# Allegro board STANDARD.brd (continued)
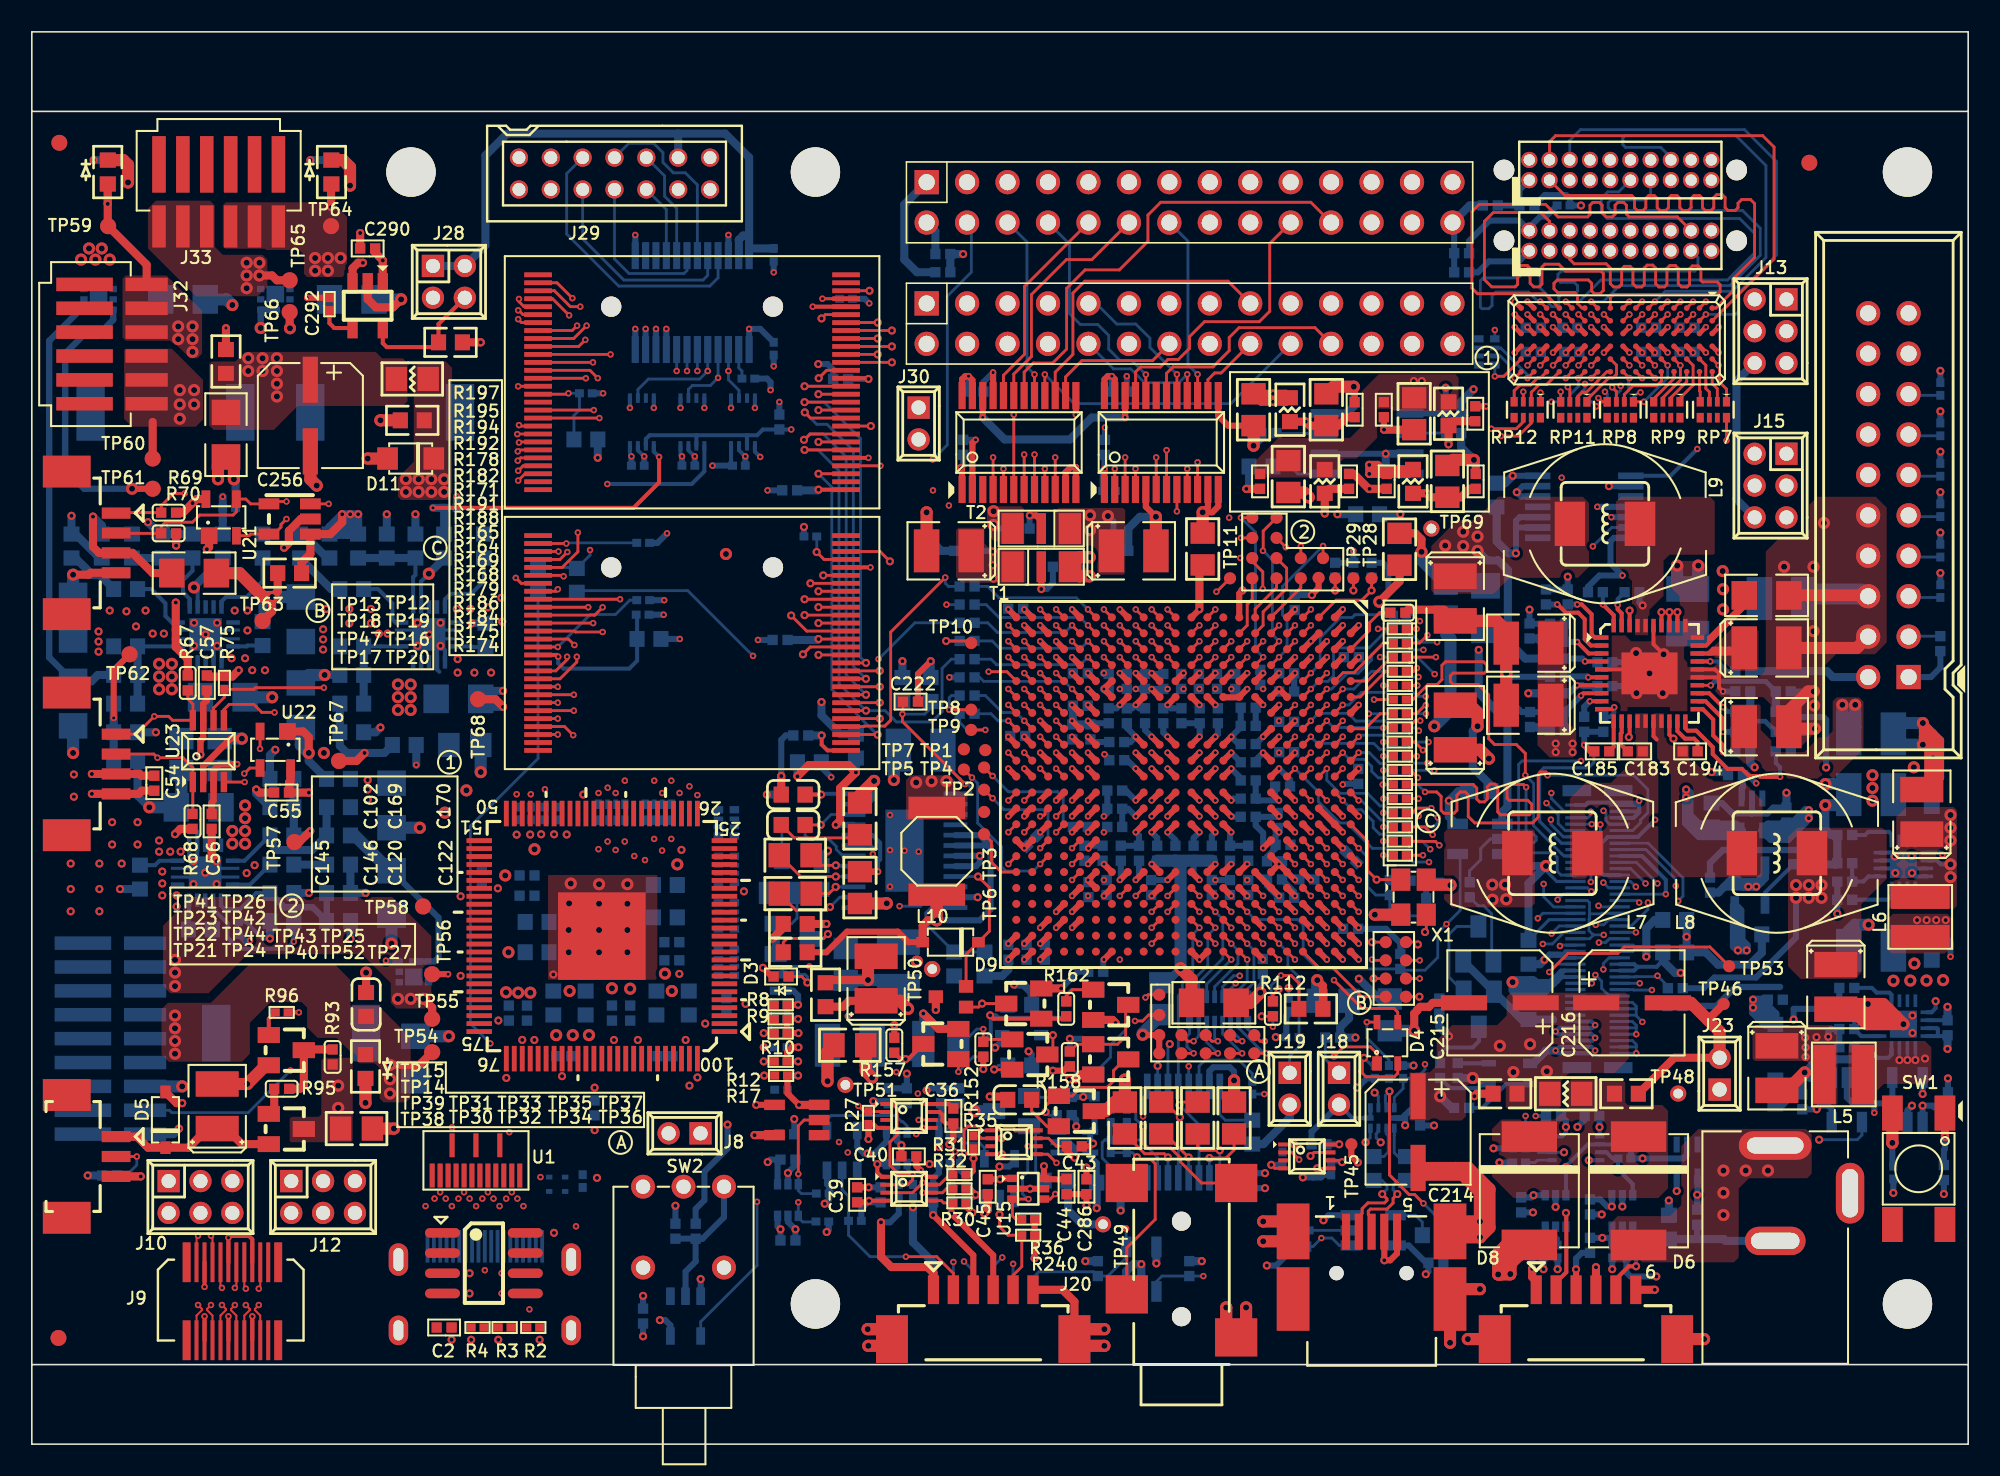
[diagram p0: board, top side]
## Routing (per net, layer and track width the routed paths; a pad name or vN(x,y) marks a point on that pad's centre or on a via; arc(x,y) is an arc through that point) (continued)
  BOTTOM w0.178: U38.9 v1(59.42,35.67)
VRST: length 71.8
  TOP w0.508: C230.2 47.19,32.44 v1(46.52,31.77)
  TOP w0.762: C232.1 49.97,24.67 v2(49.97,22.81)
  4--SIG w0.508: TP49.1 68.69,12.39 74.97,12.39 75.37,11.99 84.21,11.99 85.94,13.71 88.38,13.71 91.04,16.38 97.37,16.38 100.06,19.07 100.06,29.3 v1(101.39,30.63)
  BOTTOM w0.178: J27.M17 100.55,30.96 100.76,31.16 100.56,31.36 J27.M18
  BOTTOM w0.38: 101.39,31.18 101.37,31.16 100.76,31.16 ; R160.2 v1(65.19,25.47) 65.95,25.47 66.29,25.13 Q12.1
  BOTTOM w0.508: DN2.1 46.71,31.58 v1(46.52,31.77) ; v1(49.59,46.63) 49.59,45.79 50.77,44.61 R147.2 ; v1(101.39,30.63) 101.39,32.41 101.92,32.94 C244.2 ; R161.2 65.07,14.7 65.96,13.81 TP49.1
  BOTTOM w0.762: 49.97,25.07 v2(49.97,22.81)
WPZ: length 5.7
  TOP w0.178: v3(33.7,66.03) 33.64,65.97 U19.16
  BOTTOM w0.178: R56.1 34.04,64.63 34.39,64.98 R48.2 v3(33.7,66.03)
WPZ_2: length 9.9
  TOP w0.254: U20.16 32.95,49.59 v3(33.06,49.48)
  BOTTOM w0.254: v3(33.06,49.48) 33.06,49.06 33.39,48.73 37.52,48.73 38.01,49.22 R57.1 38.01,52.06 R51.2
XTAL_IN: length 7.8
  TOP w0.178: X1.1 v1(84.45,35.47) 83.89,36.03 83.89,37.88 U7.A14
  BOTTOM w0.178: C217.1 85.32,35.4 R137.1 85.25,35.47 v1(84.45,35.47)
XTAL_OUT: length 6.3
  TOP w0.178: U7.A15 v3(83.32,37.45)
  BOTTOM w0.178: v3(83.32,37.45) 83.9,36.88 83.9,35.01 84.4,34.5 R137.2 85.28,33.23 R138.2
N17804736: length 4
  BOTTOM w0.178: R76.1 74.95,20.36 74.6,20.71 U24.16
N17814447: length 4
  TOP w0.178: v1(73.95,17.98) 74.99,17.98 75.5,18.49 C59.1
  BOTTOM w0.178: U24.2 v1(73.95,17.98)
N17816824: length 4.6
  TOP w0.178: C61.1 69.89,18.25 70.22,18.25 71.11,18.25 v1(71.35,18.01)
  BOTTOM w0.178: U24.6 v1(71.35,18.01)
N17818051: length 4
  TOP w0.178: v1(74.6,18.46) 73.41,18.46 73.21,18.66 C60.2
  BOTTOM w0.178: U24.1 v1(74.6,18.46)
N17818648: length 6.3
  TOP w0.178: C60.1 72.27,21.49 v1(72.07,21.3)
  BOTTOM w0.178: v1(72.07,21.3) 73.3,20.07 U24.3
N17820554: length 3.6
  TOP w0.178: v1(72.65,18.01) 71.17,19.49 C62.2
  BOTTOM w0.178: U24.4 v1(72.65,18.01)
N17821152: length 5.4
  TOP w0.178: C62.1 71.15,21.49 v1(72.1,20.54)
  BOTTOM w0.178: v1(72.1,20.54) 72.1,19.14 72,19.04 U24.5
N19812982: length 2
  BOTTOM w0.254: R133.2 89.56,23.93 D7.2
N19813769: length 4.5
  BOTTOM w0.254: R132.2 91.09,21.13 92.59,22.63 D7.3
N19817079: length 3.4
  BOTTOM w0.254: R135.1 89.08,22.37 90.83,22.37 91.09,22.63 D7.4
N19817873: length 4.3
  BOTTOM w0.254: Q3.3 90.87,25.31 90.49,24.93 88.79,24.93 88.44,24.58 R135.2
N19818669: length 7.7
  BOTTOM w0.178: Q4.3 89.49,32.53 88.99,32.03 88.99,29.36 Q3.2 89.48,28 R134.2
N19848267: length 3.7
  TOP w0.178: v1(87.49,32.18) 87.57,32.26 X1.3
  BOTTOM w0.178: v1(87.49,32.18) 87.57,32.26 87.57,33.35 C218.1 87.4,33.19 R138.1
N23600777: length 3.3
  TOP w0.508: SW1.1 v1(120.14,19.32)
  BOTTOM w0.381: R111.2 120.08,18.48 120.14,18.55 v1(120.14,19.32)
N23850765: length 8
  TOP w0.178: v3(78.45,29.45) 79.09,29.45 79.57,28.97 C219.2 ; U7.G21 v3(77.32,31.45)
  3-SIG w0.122: v3(77.32,31.45) 77.81,30.96 77.81,30.08 v3(78.45,29.45)
  BOTTOM w0.178: v3(78.45,29.45) 77.83,28.83 77.83,27.93 R140.2
N34607791: length 3.8
  TOP w0.254: U33.7 v3(97.04,47.68)
  BOTTOM w0.381: R119.2 97.98,47.63 97.97,47.62 97.44,47.62 97.38,47.68 v3(97.04,47.68) 96.54,47.18 R115.1
N34618419: length 2.1
  TOP w0.254: C183.1 99.78,43.97 99.78,44.64 99.84,44.7 U33.12
N34623631: length 4
  TOP w0.254: U33.8 97.44,47.18 v3(97.29,47.03)
  BOTTOM w0.381: R118.1 96.28,44.85 C190.2 96.29,46.03 v3(97.29,47.03)
N34624445: length 1.3
  BOTTOM w0.508: R118.2 94.79,44.83 94.56,45.06 C188.2
N34740015: length 2
  TOP w0.254: C185.1 99.34,43.81 U33.11
N34740957: length 1.9
  TOP w0.254: U33.9 v3(97.84,46.68)
  BOTTOM w0.381: v3(97.84,46.68) 97.49,46.33 C186.1
N34741901: length 2
  TOP w0.254: v3(99.38,46.3) 99.25,46.18 U33.10
  BOTTOM w0.254: v3(99.38,46.3) 99.38,45.97 99.1,45.7 R116.2
N34745703: length 4.3
  TOP w0.254: v3(106.21,43.49) 106.21,43.91 105.59,44.53 105.59,45.53 104.94,46.18 U33.21
  BOTTOM w0.381: R122.2 v3(106.21,43.49)
N34745748: length 9.6
  TOP w0.254: v3(109.79,41.93) 108.53,41.93 108.48,41.98 107.84,41.98 107.39,42.43 106.49,42.43 105.56,43.36 105.56,43.8 104.53,44.83 103.98,44.83 103.84,44.97 U33.20
  BOTTOM w0.254: v3(109.79,41.93) 109.79,42.53 109.52,42.8 C195.1
N34745750: length 3.7
  TOP w0.254: v3(106.21,44.76) 106.19,44.78 106.19,45.6 105.11,46.68 U33.22
  BOTTOM w0.381: C196.1 v3(106.21,44.76)
N34746861: length 3.7
  TOP w0.254: U33.1 98.15,50.68 97.95,50.87 97.95,52.14 97.33,52.76 v3(97.05,52.76)
  BOTTOM w0.381: v3(97.05,52.76) 97.05,52.76 R127.2
N34746906: length 2.4
  TOP w0.254: v3(98.66,52.77) 99.34,52.09 U33.40
  BOTTOM w0.254: C203.1 v3(98.66,52.77)
N34746908: length 5.3
  TOP w0.254: U33.2 97.91,50.18 97.52,50.57 97.52,51.84 97.11,52.24 96.34,52.24 95.82,52.76 v3(95.8,52.76)
  BOTTOM w0.381: C205.1 v3(95.8,52.76)
N34750000: length 2.3
  TOP w0.254: U33.6 v3(97.74,48.18)
  BOTTOM w0.381: R130.2 96.3,48.24 97.68,48.24 v3(97.74,48.18)
N34754583: length 11.2
  TOP w0.254: 105.34,50.48 105.34,50.68 107.54,52.88 ; 105.34,50.48 105.34,50.38 ; 105.34,50.48 107.54,52.68 ; 105.34,50.38 105.14,50.18 U33.29 ; 105.34,50.38 107.54,52.58 107.54,52.68 ; 107.54,52.88 107.54,52.68 ; 107.54,52.88 C209.2
N34755569: length 9
  TOP w0.254: 106.29,49.68 107.44,49.68 107.54,49.78 ; 106.29,49.68 106.03,49.68 ; 106.29,49.68 106.59,49.98 ; 105.44,49.68 105.69,49.93 ; 105.44,49.68 105.94,49.68 ; 105.44,49.68 105.29,49.68 ; 105.69,49.93 105.87,49.76 ; 105.69,49.93 106.09,49.93 106.14,49.98 ; 105.69,49.93 105.74,49.98 ; 105.74,49.98 105.59,49.98 105.29,49.68 ; 105.74,49.98 106.09,49.98 ; 105.87,49.76 106.09,49.98 ; 105.87,49.76 105.94,49.68 ; 106.09,49.98 106.14,49.98 ; 105.94,49.68 106.03,49.68 ; 106.59,49.98 107.34,49.98 107.54,49.78 ; 106.59,49.98 106.14,49.98 ; 106.03,49.68 106.13,49.78 107.54,49.78 ; 105.29,49.68 U33.28
N35882942: length 3.7
  TOP w0.178: U7.A3 84.01,51.13 84.01,51.61 84.64,52.24 R197.2
N37295707: length 3.3
  BOTTOM w0.254: C236.2 108.84,34.65 U39.4
N38089677: length 1.2
  TOP w0.254: U33.16 101.84,44.48 102.04,44.28
N38089692: length 2.8
  TOP w0.254: U33.19 103.34,44.8 103.81,44.33 104.39,44.33 104.61,44.11 C194.1
N38089700: length 6.6
  TOP w0.178: U33.24 v3(105.44,47.68)
  BOTTOM w0.3: R124.2 108.88,47.93 105.69,47.93 v3(105.44,47.68)
  BOTTOM w0.508: R121.1 R124.2
N38089740: length 6.2
  TOP w0.254: v3(106.21,46.31) 105.34,47.18 U33.23
  BOTTOM w0.3: v3(106.21,46.31) 106.5,46.03 R123.1 106.98,45.54 107.1,45.42 108.85,45.42 C198.2
N38089774: length 1.3
  BOTTOM w0.508: C197.2 R123.2
N38091881: length 0.9
  BOTTOM w0.381: C202.2 100.96,52.89 v1(101.15,52.7)
N38091891: length 2.4
  TOP w0.254: U33.39 99.84,52.21 99.59,52.46 v3(99.59,52.73)
  BOTTOM w0.254: C202.1 99.59,53.1 v3(99.59,52.73)
N38091910: length 3.2
  TOP w0.254: U33.4 v3(97.54,49.18)
  BOTTOM w0.254: v3(97.54,49.18) 98.27,49.18 R129.2
  BOTTOM w0.381: R126.1 97.36,49.36 v3(97.54,49.18)
N38091944: length 3.8
  TOP w0.254: v3(97.05,50.41) 97.77,49.68 U33.3
  BOTTOM w0.381: C207.2 R128.1 v3(97.05,50.41)
N38091976: length 1.4
  BOTTOM w0.508: C206.2 94.57,50.62 94.79,50.41 R128.2
N38254379: length 11.7
  TOP w0.178: C222.2 54.71,45.91 v3(54.67,45.87) 54.67,45.41 58.28,41.79 58.29,41.79 v3(58.61,41.47)
  BOTTOM w0.178: v3(58.61,41.47) 58.76,41.47 58.96,41.27 58.96,41.12 58.96,40.99 58.84,40.87 U38.1 ; R143.2 56.45,46.25 56.07,45.87 v3(54.67,45.87) R145.2
N38254405: length 4.7
  BOTTOM w0.178: DN2.2 47.71,32.7 48.05,33.04 48.05,34.63 49.37,34.63 C228.2
N38254420: length 7.1
  BOTTOM w0.178: R149.2 R148.2 56.14,32.7 56.14,33.38 56.48,33.72 U38.12
N38254445: length 2.1
  BOTTOM w0.178: DN1.3 47.1,38.87 C227.2
N38254459: length 13.2
  TOP w0.4: C235.1 v3(53.14,35.97)
  6-SIG w0.4: v3(50.2,41.91) 52.26,39.85 52.26,36.85 v3(53.14,35.97)
  BOTTOM w0.254: v3(53.14,35.97) 53.14,36.6 53.27,36.73 53.27,37.78 52.79,38.27 U38.20
  BOTTOM w0.381: R146.1 49.58,42.53 v3(50.2,41.91)
N38254553: length 10.9
  TOP w0.508: v1(50.49,38.92) 50.76,39.18 50.76,41.22 v1(51.75,42.21) 51.29,42.67 48.78,42.67 v1(48.08,41.97)
  BOTTOM w0.38: U38.21 v1(50.49,38.92)
  BOTTOM w0.508: R147.1 v1(51.75,42.21) ; R146.2 v1(48.08,41.97)
N38254683: length 3.3
  TOP w0.178: R144.2 v1(49.54,38.91)
  BOTTOM w0.178: U38.22 50.2,39.57 v1(49.54,38.91)
N38254697: length 2.9
  TOP w0.178: v1(50.49,36.37) 49.58,36.37 C226.2
  BOTTOM w0.178: v1(50.49,36.37) 50.76,36.37 50.81,36.32 U38.17
N38254720: length 5.2
  TOP w0.178: v1(50.49,35.67) 48.28,35.67 C226.1
  BOTTOM w0.178: U38.16 v1(50.49,35.67)
N38254804: length 5.4
  TOP w0.178: C225.2 51.81,38.1 47.88,38.1 R144.1
N38254878: length 4.3
  BOTTOM w0.178: C227.1 48.56,38.26 48.84,37.98 50.09,37.98 50.52,37.55 50.52,37.37 50.93,36.97 U38.18
N38254887: length 2.8
  TOP w0.178: C229.2 50.06,34.59 v1(50.48,35.02)
  BOTTOM w0.178: U38.15 v1(50.48,35.02)
N38254889: length 5.4
  TOP w0.178: C229.1 48,33.53 49.9,33.53 v1(50.12,33.75)
  BOTTOM w0.178: v1(50.12,33.75) 50.74,34.37 U38.14
N38254900: length 24
  TOP w0.38: D9.1 55.05,31.54 54.39,32.2 51.19,32.2 49.9,30.91 C220.2
  TOP w0.508: v2(56.83,32.91) 56.27,32.91 55.94,32.58 D9.1
  TOP w0.76: L10.2 v2(56.83,32.91)
  BOTTOM w0.38: U38.6 60.01,37.62 60.09,37.7 ; U38.5 59.52,38.27 60.09,37.7 ; 60.09,37.7 60.21,37.57 60.21,33.6 59.52,32.91 v2(56.83,32.91)
N38255033: length 4.6
  TOP w0.178: v3(59.75,26.08) R152.2 59.9,25.43 61.57,25.43
  BOTTOM w0.178: v3(59.75,26.08) 59.34,26.08 58.4,25.14 Q11.3
N38255053: length 2.1
  TOP w0.178: v1(64.12,25.7) 64.12,24.83 Q8.3
  BOTTOM w0.178: D10.1 v1(64.12,25.7)
N38255105: length 3.5
  TOP w0.254: Q14.3 55.03,24.19 v1(54.87,24.19) 54.57,24.19 R157.2
  BOTTOM w0.254: Q11.2 v1(54.87,24.19)
N38255154: length 2.2
  BOTTOM w0.178: Q6.1 65.27,28.56 64.96,28.25 R150.2
N38255158: length 7
  BOTTOM w0.178: Q6.3 68.7,27.46 68.7,26.04 67.74,25.08 67.74,24.32 Q12.2 65.69,23.23 R160.1
N38255164: length 7.8
  BOTTOM w0.178: Q9.2 62.71,21.79 64.34,21.79 R156.2 64.36,22.11 64.68,22.42 67.52,22.42 67.94,22.84 67.94,23.48 68.64,24.18 Q12.3
N38255178: length 3.8
  BOTTOM w0.178: R161.1 63.04,17.09 63.04,19.56 Q9.1
N38255238: length 2.2
  TOP w0.178: R162.2 64.96,28.16 65.35,28.56 Q15.2
N38255268: length 5.9
  TOP w0.178: R158.2 65.64,25.13 Q13.2 68.19,25.13 68.69,25.63 68.69,27.44 Q15.3
N38255270: length 7.9
  TOP w0.178: v1(63.66,20.87) 63.66,21.25 64.28,21.88 65.34,21.88 65.87,22.41 67.52,22.41 67.93,22.82 67.93,23.47 68.64,24.18 Q13.3
  BOTTOM w0.178: R154.2 63.87,20.67 v1(63.66,20.87)
N38255292: length 2.8
  TOP w0.178: 64.49,19.98 63.75,19.98 62.79,20.93 R155.2
N38255368: length 2.8
  TOP w0.178: Q14.2 v3(58.18,23.4)
  BOTTOM w0.178: R159.2 59.13,24.34 v3(58.18,23.4)
N38301403: length 2.1
  TOP w0.178: v1(60.43,23.54) 60.44,23.53 Q8.1
  BOTTOM w0.178: R153.2 60.69,23.8 60.44,23.54 v1(60.43,23.54)
N38817036: length 3.4
  BOTTOM w0.178: U35.1 79.51,60.96 79.04,61.43 C200.2
N38828044: length 3
  BOTTOM w0.178: C199.2 78.19,63.5 U35.3
N38834896: length 2.3
  BOTTOM w0.178: R125.1 86.58,63.53 U35.6
N39782474: length 6.6
  TOP w0.178: v3(77.3,53.74) 77.3,54.81 76.64,55.47 TP22.1 ; U7.H3 v3(76.32,50.45)
  3-SIG w0.122: v3(77.3,53.74) 77.3,52.99 76.32,52.01 v3(76.32,50.45)
N39782477: length 9.6
  TOP w0.178: TP23.1 v3(75.93,56.94) ; U7.H4 v3(76.32,49.45)
  3-SIG w0.122: v3(75.93,56.94) 76.49,56.38 76.49,53.18 75.8,52.49 75.8,49.97 v3(76.32,49.45)
N39787655: length 13.2
  TOP w0.178: TP20.1 v1(87.14,28.11) ; U7.F20 v3(78.32,32.45)
  3-SIG w0.122: v3(78.32,32.45) 78.35,32.45 78.8,32 78.8,30.3 79.33,29.77 85.05,29.77 86.7,28.11 v1(87.14,28.11)
N39787766: length 6.5
  TOP w0.178: v3(69.94,28.06) 70.11,28.24 TP15.1 ; U7.N20 v3(70.32,32.45)
  3-SIG w0.122: v3(69.94,28.06) 70.29,28.42 70.29,30.83 69.94,31.19 69.94,32.06 v3(70.32,32.45)
N39787775: length 10
  TOP w0.178: TP14.1 70.14,26.97 69.76,26.59 v3(69.28,26.59) ; U7.N19 v3(70.32,33.45)
  3-SIG w0.122: v3(70.32,33.45) 70.7,33.07 70.7,28.01 v3(69.28,26.59)
N39787838: length 7.5
  TOP w0.178: U7.B18 v3(82.32,34.45) ; v1(87.04,31.4) 86.9,31.54 TP12.1
  3-SIG w0.122: v3(82.32,34.45) 82.82,33.96 84.49,33.96 v1(87.04,31.4)
N40043966: length 30.2
  TOP w0.4: TP61.1 v2(6.29,60.03)
  4--SIG w0.508: v2(6.29,60.03) 6.29,57.23 9.69,53.83 v2(10.18,53.83)
  BOTTOM w0.254: v2(10.18,53.83) 10.41,53.6 U46.10
  BOTTOM w0.4: Q17.3 5.11,70.65 4.09,69.63 3.19,69.63 2.09,68.53 2.09,61.23 3.29,60.03 v2(6.29,60.03)
  BOTTOM w0.508: 10.19,53.84 v2(10.18,53.83) 10.18,53.86 11.99,55.67 R216.1 ; 10.19,53.84 10.31,53.96 10.31,53.97 10.19,53.85 10.19,53.84
N40043979: length 4.9
  BOTTOM w0.254: C266.2 14.49,54.23 13.49,53.23 12.19,53.23 11.91,52.95 U46.13
N40044061: length 3.5
  BOTTOM w0.508: C270.2 2.74,55.68 3.82,54.6 4.27,54.6 R214.2
N40044084: length 28.5
  BOTTOM w0.4: Q17.S Q17.4 3.04,71.28 1.09,69.33 1.09,49.43 R221.2
  BOTTOM w0.508: R219.1 4.14,48.33 3.74,47.93 R221.2
N40044117: length 6.1
  BOTTOM w0.254: U46.7 6.64,50.13 R220.2
  BOTTOM w0.508: R218.1 R219.2 R220.2
N40044144: length 8
  TOP w0.381: TP62.1 5.14,48.63 5.14,45.63 v3(5.14,45.63)
  BOTTOM w0.508: R218.2 v3(5.14,45.63) R217.1 C272.2
N40045247: length 7.3
  BOTTOM w0.254: C271.2 10.09,54.88 9.49,54.28 9.49,53.53 9.91,53.11 U46.9
  BOTTOM w0.508: C271.2 R215.2 R213.1
N40046871: length 24.9
  TOP w0.508: TP66.1 16.19,70.15 16.21,70.13 v2(16.21,70.11)
  4--SIG w0.508: v2(24.93,54.69) 23.09,56.54 23.09,58.68 20.09,61.68 20.09,66.23 v2(16.21,70.11)
  BOTTOM w0.254: U47.10 24.44,54.2 v2(24.93,54.69)
  BOTTOM w0.4: Q18.3 v2(16.21,70.11)
  BOTTOM w0.508: v2(24.93,54.69) 25.89,55.65 R227.1
N40046886: length 4.9
  BOTTOM w0.254: C275.2 28.39,54.23 27.59,53.43 26.29,53.43 25.94,53.08 U47.13
N40046946: length 3.3
  BOTTOM w0.508: C280.2 18.79,53.73 R225.2
N40046991: length 28.3
  4--SIG w0.508: v2(18.39,48.33) 17.49,49.23 17.49,59.13 16.64,59.98 16.64,68.18 14.69,70.13 v2(14.37,70.13)
  BOTTOM w0.4: Q18.S Q18.4 v2(14.37,70.13)
  BOTTOM w0.508: R230.1 v2(18.39,48.33)
  BOTTOM w0.762: R232.2 17.39,48.33 v2(18.39,48.33)
N40047024: length 6
  BOTTOM w0.254: R231.2 21.89,50.13 21.89,50.13 U47.7
  BOTTOM w0.508: R231.2 R230.2 R229.1
N40047049: length 8.2
  TOP w0.508: TP67.1 20.39,42.93 v1(20.89,43.43)
  BOTTOM w0.508: C281.2 22.14,43.43 v1(20.89,43.43) 19.79,43.43 19.34,43.88 R228.1 R229.2
N40047287: length 6.7
  BOTTOM w0.254: U47.9 23.94,54.48 24.09,54.63 C279.2
  BOTTOM w0.508: C279.2 R226.2 R224.1
N40049371: length 21
  TOP w0.381: TP56.1 v3(26.14,29.53)
  6-SIG w0.381: v3(26.14,29.53) 25.29,30.38 v3(22.24,30.38) 17.65,30.38 v3(16.45,31.58)
  BOTTOM w0.254: U45.10 11.38,33.64 12.29,32.73 12.29,31.83 12.99,31.13 16,31.13 v3(16.45,31.58)
  BOTTOM w0.381: R205.1 v3(16.45,31.58) ; Q16.3 22.29,30.33 v3(22.24,30.38)
N40049383: length 1.9
  BOTTOM w0.254: C257.2 9.88,32.37 U45.13
N40049443: length 2.1
  BOTTOM w0.508: R203.2 C261.2
N40049482: length 11.7
  BOTTOM w0.381: R210.2 25.54,33.08 25.54,30.58 25.29,30.33 Q16.4 Q16.S
  BOTTOM w0.762: R210.2 22.49,36.03 20.27,38.25 R208.1
N40049520: length 9.4
  BOTTOM w0.254: R207.1 13.36,36.66 U45.7
  BOTTOM w0.508: R207.1 14.95,37.77 15.39,37.33 17.59,37.33 R208.2 R209.2
N40049535: length 6
  TOP w0.508: v3(17.49,38.53) 16.79,37.83 TP57.1
  BOTTOM w0.508: v3(17.49,38.53) 17.21,38.25 R207.2 C263.2 R206.1
N40049779: length 10
  BOTTOM w0.254: U45.9 11.88,33.84 12.09,33.63 13.09,33.63 14.1,34.64 R204.2
  BOTTOM w0.4: R204.2 15.86,33.73 17.64,33.73 R202.1 C262.2
N40123308: length 2.5
  TOP w0.178: v1(48.7,29) 48.7,29.03 48.35,29.38 D3.1
  BOTTOM w0.178: R24.1 48.56,29.51 48.7,29.37 v1(48.7,29)
N40123354: length 0.7
  BOTTOM w0.178: R12.1 v1(45.96,24.05)
N40123398: length 0.7
  BOTTOM w0.178: v1(45.99,23.16) R17.2
N40250556: length 3.9
  TOP w0.178: D4.2 v3(83.83,26.52)
  BOTTOM w0.178: R72.1 85.23,24.14 83.83,25.54 v3(83.83,26.52)
N40286094: length 4.9
  TOP w0.178: D4.3 85.78,23.3 85.56,23.08 83.78,23.08 83.55,23.31 83.55,24.17 v1(83.66,24.27)
  BOTTOM w0.178: R73.1 84.14,23.79 v1(83.66,24.27)
N40452826: length 12
  TOP w0.178: v1(69.4,18.03) 69.56,17.88 70.29,17.88 70.55,17.62 70.55,14.12 68.76,12.34 J20.3
  BOTTOM w0.178: v1(69.4,18.03) 69.12,18.31 R77.1 R82.1
N40452839: length 10.8
  TOP w0.178: J20.2 73.46,16.41 72.12,17.75 72.12,18 71.52,18.61 70.08,18.61 69.78,18.9 v1(69.78,19.96)
  BOTTOM w0.178: R84.1 R78.1 69.15,21.02 69.33,20.84 69.33,20.42 v1(69.78,19.96)
N40453337: length 7.5
  4--SIG w0.122: v3(72.65,23.75) 74.4,22 v3(77.4,22)
  BOTTOM w0.178: R83.2 v3(77.4,22) ; U24.13 v3(72.65,23.75)
N40453340: length 5.6
  BOTTOM w0.178: R83.1 76.64,23.29 75.79,24.14 73.68,24.14 73.3,23.76 U24.14
N40580604: length 2.7
  TOP w0.178: U9.2 v3(68.01,61.28)
  BOTTOM w0.178: v3(68.01,61.28) 68.01,60.72 68.05,60.68 R26.2
N40589862: length 1.3
  BOTTOM w0.178: R28.2 54.44,16.84 54.44,16.94 54.32,17.07 U11.5
N40590229: length 1.3
  BOTTOM w0.178: U13.5 57.62,16.45 R33.2
N40603954: length 1.2
  BOTTOM w0.254: U16.5 95.69,13.05 95.82,12.92 R37.2
N40605690: length 1.3
  BOTTOM w0.254: U17.5 99.88,13.19 100.14,12.93 R39.2
N40650962: length 1.3
  TOP w0.178: U12.5 57.12,15.3 57.26,15.16 R30.2
N40692088: length 1.9
  BOTTOM w0.178: U42.2 44.39,67.63 44.59,67.43 R199.2
N40891813: length 3
  BOTTOM w0.254: C73.2 114.33,38.28 115.14,38.28 115.34,38.48 116.62,38.48 116.79,38.31 U28.9
N40892304: length 3
  BOTTOM w0.254: R100.2 R98.1 115.02,35.35 115.34,35.67 U28.5
N40892332: length 3.1
  BOTTOM w0.254: R97.1 116.57,34.21 116.79,34.43 U28.4
N40892373:
  vias: v1(118.39,32.93) v1(118.99,32.93) v1(119.59,32.93) v1(120.19,32.93)
N40960177: length 2.9
  BOTTOM w0.254: U29.9 116.79,28.24 116.66,28.37 115.85,28.37 115.55,28.67 C75.2
N40960231: length 3.1
  BOTTOM w0.254: R99.1 115.23,24.94 115.89,24.28 116.59,24.28 116.79,24.48 U29.4
N40960273: length 2.3
  BOTTOM w0.178: U29.3 v1(117.29,24.13) ; U29.2 v1(117.79,24.13) ; U29.1 v1(118.29,24.13)
  vias: v1(118.89,24.23)
N40963957: length 19.4
  6-SIG w0.254: J30.2 50.09,63.13 49.46,63.76 v3(47.69,63.76)
  BOTTOM w0.254: U43.6 38.56,63.16 38.8,63.39 41.74,63.39 ; 44.89,63.39 44.91,63.38 U40.6 ; 44.89,63.39 45.55,63.39 45.91,63.76 R198.2 v3(47.69,63.76) ; 44.89,63.39 41.74,63.39 ; 41.74,63.39 41.73,63.39 U41.6
N41007386: length 1.7
  BOTTOM w0.178: U18.5 94.54,17.84 94.4,17.7 R41.2
N41016225: length 2.5
  BOTTOM w0.254: R200.2 7.74,36.38 8.02,36.66 9.16,36.66
N41016296: length 2.9
  BOTTOM w0.254: R203.1 13.69,35.16 U45.8
N41017017: length 1.9
  BOTTOM w0.254: R211.2 13.54,50.18 13.49,50.13 U46.1
N41017091: length 3.9
  BOTTOM w0.254: U46.8 8.79,51.63 8.39,52.03 8.39,52.83 7.49,53.73 R214.1
N41018338: length 1.8
  BOTTOM w0.254: R222.2 27.74,50.08 27.64,50.08 27.59,50.13 26.67,50.13
N41018459: length 3.8
  BOTTOM w0.254: U47.8 22.84,51.63 22.64,51.83 22.64,52.83 21.74,53.73 R225.1
N41209979: length 12
  TOP w0.178: U7.E22 v3(79.32,30.45) ; TP19.1 v3(87.16,30.4)
  3-SIG w0.122: v3(87.16,30.4) 87.54,30.02 87.54,29.08 87.31,28.85 86.68,28.85 85.46,30.07 79.7,30.07 v3(79.32,30.45)
N41209992: length 3.8
  TOP w0.178: U7.H2 76.32,51.45 76.32,52.76 76.64,53.08 TP21.1
N41209995: length 6.4
  TOP w0.178: U7.D22 80.83,29.94 81.7,29.94 83.53,28.11 TP17.1
N41209998: length 6.8
  TOP w0.178: v3(84.16,30.45) 84.21,30.4 TP18.1 ; U7.E21 v3(79.32,31.45)
  3-SIG w0.122: v3(84.16,30.45) 83.8,30.81 79.96,30.81 v3(79.32,31.45)
N41210001: length 11.1
  TOP w0.178: U7.E20 v3(79.32,32.45) ; TP16.1 v3(87.16,29.26)
  3-SIG w0.122: v3(79.32,32.45) 79.82,31.96 79.82,31.37 80.1,31.08 85.33,31.08 v3(87.16,29.26)
N41210106: length 3
  TOP w0.178: U7.G1 76.82,52.48 78.17,53.82 TP24.1
N41210127: length 4.6
  TOP w0.178: U7.B19 v3(82.32,33.45) ; TP13.1 v1(84.16,31.54)
  3-SIG w0.122: v1(84.16,31.54) 84.16,32.18 83.35,32.99 82.78,32.99 v3(82.32,33.45)
N41210256: length 4.5
  TOP w0.178: TP11.1 74.4,53.56 v3(74.39,53.56) ; U7.L2 v3(73.32,51.45)
  3-SIG w0.122: v3(74.39,53.56) 74.39,53.53 73.82,52.96 73.82,51.95 v3(73.32,51.45)
N41444171: length 13.1
  TOP w0.178: TP47.1 v1(84.26,29.26) ; U7.H20 v3(76.32,32.45)
  3-SIG w0.122: v3(76.32,32.45) 76.69,32.08 76.69,29.59 77.37,28.91 77.38,28.91 77.69,28.59 77.69,28.59 78.17,28.11 83.12,28.11 v1(84.26,29.26)
N41453208: length 2.4
  TOP w0.254: C292.1 18.69,70.43 18.99,70.13 U50.4
N41531220: length 2.7
  BOTTOM w0.178: R89.2 87.32,13.95 86.89,14.38 U26.4
N41563836: length 9.4
  BOTTOM w0.38: U55.2 41.05,10.84 41.69,11.48 R233.2 42.12,12.91 43.47,14.26 SW2.3
  BOTTOM w0.381: R233.2 C299.1
N41600991: length 2.9
  BOTTOM w0.254: U29.5 114.89,25.64 R236.1 R235.2
N225076212: length 4.9
  BOTTOM w0.178: R136.2 90.82,33.83 91.17,33.83 91.68,33.32 91.68,30.44 Q4.2
N404550300: length 3.2
  TOP w0.178: U7.F1 79.69,53.82 TP40.1
N404550400: length 10.8
  TOP w0.178: TP41.1 v3(75.93,58.21) ; U7.G4 v3(77.32,49.45)
  BOTTOM w0.178: v3(75.93,58.21) 76.85,57.3 76.85,49.93 v3(77.32,49.45)
N404550500: length 8
  TOP w0.178: TP42.1 v3(78.75,56.36) ; U7.G3 v3(77.32,50.45)
  3-SIG w0.122: v3(77.32,50.45) 77.32,52.09 77.78,52.55 77.78,55.39 v3(78.75,56.36)
N404550600: length 7
  TOP w0.178: U7.F2 v3(78.32,51.45) ; TP43.1 v3(79.69,56.41)
  3-SIG w0.122: v3(79.69,56.41) 78.32,55.04 v3(78.32,51.45)
N404550680: length 5.8
  TOP w0.178: U7.G2 77.32,51.45 77.32,52.29 78.8,53.77 78.8,55.04 TP44.1

## Copper pours and planes (outline as drawn; the poured copper is in the pictures)
GND on TOP: 103.49,51.28 99.44,51.28 99.04,50.88 99.04,46.38 99.49,45.93 103.99,45.93 104.39,46.33 104.39,47.43 104.69,47.73 105.29,47.73 106.09,46.93 108.74,46.93 109.19,46.48 109.19,45.03 109.39,44.83 109.39,43.83 109.54,43.68 111.04,43.68 111.94,44.58 112.14,44.58 112.44,44.88 112.44,48.78 113.29,49.63 115.74,49.63 116.49,50.38 116.49,58.83 115.79,59.53 112.14,59.53 111.64,59.03 111.64,57.48 111.09,56.93 109.74,56.93 108.89,56.08 108.89,48.83 108.64,48.58 106.64,48.58 105.94,49.28 104.19,49.28 104.04,49.43 104.04,50.08 104.24,50.28 104.94,50.28 105.24,50.58 105.24,55.18 104.84,55.58 103.14,55.58 102.94,55.38 102.94,53.83 103.49,53.28
GND on TOP: 32.42,29.18 39.28,29.18 39.28,35.76 32.42,35.76
GND on BOTTOM: 114.84,42.24 112.61,42.24 111.85,41.47 111.85,37.69 112.58,36.95 114.74,36.95 115.76,35.94 116.49,35.94 116.6,35.84 116.6,35.63 116.67,35.56 119.95,35.56 120.05,35.66 120.05,35.94 119.39,36.6 119.14,36.6 118.45,37.28 116.65,37.28 116.14,37.79 113.88,37.79 113.75,37.92 113.75,38.96 113.93,39.14 114.69,39.14 114.95,39.39 114.95,42.13
GND on BOTTOM: 95.96,28.65 95.34,28.03 95.34,24.73 95.74,24.33 98.14,24.33 98.44,24.63 98.44,26.53 97.89,27.08 97.89,28.53 97.77,28.65
GND on BOTTOM: 119.94,23.73 119.64,24.03 119.64,25.23 119.39,25.48 116.74,25.48 116.39,25.83 115.14,25.83 114.89,26.08 114.89,27.43 114.69,27.63 113.99,27.63 113.89,27.53 113.89,26.83 113.59,26.53 112.84,26.53 112.64,26.33 110.69,26.33 110.44,26.58 110.44,27.13 109.99,27.13 109.59,27.53 109.59,28.83 109.79,29.03 111.74,29.03 111.97,29.26 111.97,33.11 112.54,33.68 115.29,33.68 115.69,33.28 115.69,30.03 115.14,29.48 114.14,29.48 113.99,29.33 113.99,28.28 114.04,28.23 115.84,28.23 116.79,27.28 118.39,27.28 118.54,27.13 118.54,26.68 118.84,26.38 120.79,26.38 120.9,26.27 120.9,23.99 120.64,23.73
GND on BOTTOM: 12.04,46.03 12.04,48.53 11.84,48.73 11.24,48.73 11.24,49.73 11.14,49.83 9.89,49.83 9.54,50.18 7.44,50.18 7.14,50.48 7.14,50.68 6.29,50.68 5.79,51.18 4.99,51.18 4.24,51.93 2.04,51.93 1.59,52.38 1.59,54.48 2.14,55.03 3.44,55.03 4.44,54.03 4.44,53.28 4.69,53.03 7.29,53.03 8.14,52.18 12.04,52.18 12.69,52.83 13.59,52.83 14.94,54.18 17.84,54.18 18.04,53.98 18.04,53.68 18.69,53.03 21.94,53.03 22.44,52.53 22.44,51.58 22.69,51.33 23.84,51.33 23.94,51.43 23.94,51.88 23.99,51.93 25.89,51.93 26.29,52.33 26.29,52.78 26.59,53.08 27.94,53.08 28.49,53.63 29.64,53.63 31.39,51.88 31.39,43.13 27.19,38.93 27.19,29.28 27.04,29.13 26.29,29.13 25.89,29.53 25.89,33.58 23.94,35.53 23.94,37.03 23.19,37.78 21.74,37.78 21.54,37.98 21.54,39.53 21.84,39.83 23.64,39.83 23.94,40.13 23.94,42.43 23.59,42.78 23.59,44.38 23.74,44.53 24.79,44.53 25.04,44.28 25.04,42.98 25.44,42.58 27.14,42.58 27.44,42.88 27.44,45.53 26.79,46.18 26.79,47.83 26.24,48.38 25.49,48.38 25.29,48.58 25.29,49.73 25.24,49.78 23.89,49.78 23.79,49.88 23.79,50.23 23.69,50.33 21.64,50.33 21.49,50.48 21.49,50.83 20.19,50.83 20.04,50.98 19.34,50.98 18.49,51.83 16.14,51.83 15.69,51.38 15.69,46.93 16.09,46.53 17.79,46.53 18.19,46.13 18.19,44.33 18.99,43.53 18.99,41.18 18.79,40.98 17.39,40.98 17.14,41.23 17.14,42.38 16.99,42.53 16.04,42.53 14.99,43.58 14.69,43.58 14.39,43.28 14.39,41.13 14.59,40.93 15.24,40.93 15.59,40.58 15.59,39.68 15.39,39.48 14.19,39.48 13.99,39.68 13.99,40.43 13.09,41.33 13.09,43.18 12.69,43.58 11.09,43.58 10.99,43.68 10.99,44.98
GND on BOTTOM: 9.54,33.63 9.54,34.48 9.89,34.83 11.89,34.83 11.99,34.93 11.99,35.23 12.14,35.38 13.59,35.38 14.24,36.03 14.24,36.63 14.04,36.83 13.44,36.83 12.99,36.38 11.94,36.38 11.94,36.93 10.64,36.93 10.64,38.03 10.44,38.23 10.44,42.78 10.09,43.13 8.34,43.13 7.89,43.58 6.19,43.58 6.04,43.43 6.04,41.93 5.64,41.53 4.59,41.53 4.14,41.98 4.14,45.63 3.59,46.18 1.49,46.18 1.19,45.88 1.19,33.08 1.54,32.73 8.64,32.73
GND on 2-GND: 0.7,5.7 0.7,83.04 120.9,83.04 120.9,5.7
P5V on TOP: 55,39.21 58.66,39.21 58.76,39.32 58.76,40.81 58.63,40.94 58.35,40.94 57.95,41.35 57.95,41.8 57.72,42.03 55.2,42.03 54.9,41.73 54.9,39.32
P5V on TOP: 97.39,59.53 92.09,59.53 90.59,58.03 89.49,58.03 87.89,56.43 87.89,53.63 88.09,53.43 91.79,53.43 92.79,54.43 97.09,54.43 97.79,55.13 97.79,59.13
P5V on BOTTOM: 58.07,44.98 58.07,41.96 58.09,41.94 58.09,41.46 57.82,41.2 57.11,41.2 57.11,40.71 57.26,40.56 58.79,40.56 58.91,40.43 58.91,38.76 58.84,38.68 56.53,38.68 56.4,38.81 56.4,40.12 56.19,40.33 55.19,40.33 55.05,40.47 55.05,41.83 55.23,42.01 56.04,42.01 56.14,42.11 56.14,44.93 56.22,45.01 58.05,45.01
P5V on 7-VCC: 53.43,24.63 52.1,25.96 52.1,37.72 51.6,38.22 46.52,38.22 45.73,39.01 45.73,41.8 46.57,42.65 49.75,42.65 50.39,43.29 50.39,47.58 50.19,47.78 43.59,47.78 42.53,46.73 42.53,43.18 28.81,43.18 28.81,48.46 28.86,48.51 28.86,48.72 28.81,48.77 28.81,64.46 29.58,65.23 71.25,65.23 72.75,63.73 85.51,63.73 85.51,61.21 86.14,60.58 114.64,60.58 115.19,60.03 115.19,50.38 117.14,48.43 117.14,34.38 120.9,34.38 120.9,26.28 113.39,26.28 113.39,44.83 108.22,50 89.77,50 85.69,54.08 66.75,54.08 64.35,51.69 64.35,50.16 55.84,50.16 55.44,49.76 55.44,47.06 58.31,44.19 58.31,33.12 59.27,32.16 61.4,32.16 62.35,31.21 62.35,28.75 61.98,28.39 61.15,28.39 60.79,28.75 54.87,28.75 54.09,27.96 54.09,27.05 55.18,25.95 55.18,24.63
P12V_CONN on TOP: 25.99,68.03 24.39,68.03 23.99,67.63 23.99,61.73 22.99,60.73 22.99,59.53 23.19,59.33 26.19,59.33 26.39,59.53 26.39,67.63
